# KiCad board 8851_HW-U1-VCU118_REV2-0_071417.kicad_pcb (continued)
## Footprints (pads in the part's own frame, mm; a bottom-side part is the same pattern mirrored in y, then rotated) (continued)
unnamed#130
  rect 0.001x0.001 hole 0: 1(4.475,-2.225) 2(-4.475,-2.225) 3(4.475,2.225) 4(-4.475,2.225)
unnamed#131
  round 0.001 hole 0: 1(0,0)
  round 0.001 hole 1.575: 2(2.5,-2.5) 3(2.5,2.5) 4(-2.5,-2.5) 5(-2.5,2.5)
unnamed#132
  rect 0.001x0.001 hole 0: 1(1.821,0) 2(-1.821,0)
unnamed#133
  rect 0.001x0.001 hole 0: 1(1.725,-0.688) 2(-1.725,-0.688) 3(1.725,0.688) 4(-1.725,0.688)
unnamed#134
  rect 0.001x0.001 hole 0: 1(-2.879,-2.875) 2(-2.239,-2.875) 3(-1.599,-2.875) 4(-0.96,-2.875) 5(-0.32,-2.875) 6(0.32,-2.875) 7(0.96,-2.875) 8(1.599,-2.875) 9(2.239,-2.875) 10(2.879,-2.875) 11(2.879,2.875) 12(2.239,2.875) 13(1.599,2.875) 14(0.96,2.875) 15(0.32,2.875) 16(-0.32,2.875) 17(-0.96,2.875) 18(-1.599,2.875) 19(-2.239,2.875) 20(-2.879,2.875)
unnamed#135
  rect 0.001x0.001 hole 0: 1(0,3.125) 2(0,-3.125)
unnamed#136
  round 0.001 hole 0: 1(1.968,2.854) 2(1.476,2.854) 3(0.984,2.854) 4(0.492,2.854) 5(0,2.854) 6(-0.492,2.854) 7(-0.984,2.854) 8(-1.476,2.854) 9(-1.968,2.854) 10(-2.854,1.968) 11(-2.854,1.476) 12(-2.854,0.984) 13(-2.854,0.492) 14(-2.854,0) 15(-2.854,-0.492) 16(-2.854,-0.984) 17(-2.854,-1.476) 18(-2.854,-1.968) 19(-1.968,-2.854) 20(-1.476,-2.854) 21(-0.984,-2.854) 22(-0.492,-2.854) 23(0,-2.854) 24(0.492,-2.854) 25(0.984,-2.854) 26(1.476,-2.854) 27(1.968,-2.854) 28(2.854,-1.968) 29(2.854,-1.476) 30(2.854,-0.984) 31(2.854,-0.492) 32(2.854,0) 33(2.854,0.492) 34(2.854,0.984) 35(2.854,1.476) 36(2.854,1.968)
  rect 0.001x0.001 hole 0: 37(0,0)
unnamed#137
  rect 0.001x0.001 hole 0: 1(2.425,-1.875) 2(2.425,-0.625) 3(2.425,0.625) 4(2.425,1.875) 5(-2.425,1.875) 6(-2.425,0.625) 7(-2.425,-0.625) 8(-2.425,-1.875)
unnamed#138
  rect 0.001x0.001 hole 1: 1(0,0)
  round 0.001 hole 1: 2(2.5,0) 3(5,0) 4(7.5,0) 5(10,0) 6(12.5,0)
unnamed#139
  rect 0.001x0.001 hole 0: 1(1.452,-0.984) 2(1.452,-0.492) 3(1.452,0) 4(1.452,0.492) 5(1.452,0.984) 6(-1.452,0.984) 7(-1.452,0.492) 8(-1.452,0) 9(-1.452,-0.492) 10(-1.452,-0.984)
  round 0.001 hole 0: 11(0,0)
unnamed#140
  rect 0.001x0.001 hole 0: 1(0.738,0) 2(-0.738,0)
unnamed#141
  rect 0.001x0.001 hole 0: 1(1.083,-0.935) 2(1.083,0.935) 3(-1.083,0)
unnamed#142
  rect 0.001x0.001 hole 0: 1(0.984,1.452) 2(0.492,1.452) 3(0,1.452) 4(-0.492,1.452) 5(-0.984,1.452) 6(-0.984,-1.452) 7(-0.492,-1.452) 8(0,-1.452) 9(0.492,-1.452) 10(0.984,-1.452)
  round 0.001 hole 0: 11(0,0)
unnamed#143
  rect 0.001x0.001 hole 0: 1(-1.15,0) 2(1.15,0)
unnamed#192
  rect 0.001x0.001 hole 0: 1(-1.083,0) 2(1.083,0)
unnamed#144
  round 0.001 hole 0: 1(0,0)
  round 0.001 hole 1.575: 2(-2.5,2.5) 3(-2.5,-2.5) 4(2.5,2.5) 5(2.5,-2.5)
unnamed#145
  rect 0.001x0.001 hole 0: 1(-3.125,0) 2(3.125,0)
unnamed#146
  rect 0.001x0.001 hole 0: 1(0,1.15) 2(0,-1.15)
unnamed#147
  rect 0.001x0.001 hole 0: 1(-2.425,1.875) 2(-2.425,0.625) 3(-2.425,-0.625) 4(-2.425,-1.875) 5(2.425,-1.875) 6(2.425,-0.625) 7(2.425,0.625) 8(2.425,1.875)
unnamed#148
  rect 0.001x0.001 hole 0: 1(3.125,0) 2(-3.125,0)
unnamed#149
  rect 0.001x0.001 hole 0: 1(-2.628,1.875) 2(-2.628,0.625) 3(-2.628,-0.625) 4(-2.628,-1.875) 5(2.628,-1.875) 6(2.628,-0.625) 7(2.628,0.625) 8(2.628,1.875)
unnamed#150
  rect 0.001x0.001 hole 0: 1(0.64,-0.492) 2(-0.64,0) 3(0.64,0.492)
unnamed#151
  rect 0.001x0.001 hole 0: 1(1.722,2.377) 2(1.23,2.377) 3(0.738,2.377) 4(0.246,2.377) 5(-0.246,2.377) 6(-0.738,2.377) 7(-1.23,2.377) 8(-1.722,2.377) 9(-2.377,1.722) 10(-2.377,1.23) 11(-2.377,0.738) 12(-2.377,0.246) 13(-2.377,-0.246) 14(-2.377,-0.738) 15(-2.377,-1.23) 16(-2.377,-1.722) 17(-1.722,-2.377) 18(-1.23,-2.377) 19(-0.738,-2.377) 20(-0.246,-2.377) 21(0.246,-2.377) 22(0.738,-2.377) 23(1.23,-2.377) 24(1.722,-2.377) 25(2.377,-1.722) 26(2.377,-1.23) 27(2.377,-0.738) 28(2.377,-0.246) 29(2.377,0.246) 30(2.377,0.738) 31(2.377,1.23) 32(2.377,1.722) 33(0,0)
unnamed#152
  rect 0.001x0.001 hole 1.2: 1(-1.23,-2.461)
  round 0.001 hole 1.2: 3(3.691,-2.461) 5(3.691,2.461) 6(1.23,0) 7(-3.691,0) 8(-1.23,2.461)
unnamed#153
  rect 0.001x0.001 hole 0: 1(-0.984,-1.452) 2(-0.492,-1.452) 3(0,-1.452) 4(0.492,-1.452) 5(0.984,-1.452) 6(0.984,1.452) 7(0.492,1.452) 8(0,1.452) 9(-0.492,1.452) 10(-0.984,1.452) 11(0,0)
unnamed#154
  rect 0.001x0.001 hole 0: 1(-4.612,4.375) 2(-4.612,3.125) 3(-4.612,1.875) 4(-4.612,0.625) 5(-4.612,-0.625) 6(-4.612,-1.875) 7(-4.612,-3.125) 8(-4.612,-4.375) 9(4.612,-4.375) 10(4.612,-3.125) 11(4.612,-1.875) 12(4.612,-0.625) 13(4.612,0.625) 14(4.612,1.875) 15(4.612,3.125) 16(4.612,4.375)
unnamed#155
  rect 0.001x0.001 hole 0: 1(4.529,0.738) 2(4.529,-0.738)
unnamed#156
  round 0.001 hole 0: A1(24.375,-5.625) A2(23.125,-5.625) A3(21.875,-5.625) A4(20.625,-5.625) A5(19.375,-5.625) A6(18.125,-5.625) A7(16.875,-5.625) A8(15.625,-5.625) A9(14.375,-5.625) A10(13.125,-5.625) A11(11.875,-5.625) A12(10.625,-5.625) A13(9.375,-5.625) A14(8.125,-5.625) A15(6.875,-5.625) A16(5.625,-5.625) A17(4.375,-5.625) A18(3.125,-5.625) A19(1.875,-5.625) A20(0.625,-5.625) A21(-0.625,-5.625) A22(-1.875,-5.625) A23(-3.125,-5.625) A24(-4.375,-5.625) A25(-5.625,-5.625) A26(-6.875,-5.625) A27(-8.125,-5.625) A28(-9.375,-5.625) A29(-10.625,-5.625) A30(-11.875,-5.625) A31(-13.125,-5.625) A32(-14.375,-5.625) A33(-15.625,-5.625) A34(-16.875,-5.625) A35(-18.125,-5.625) A36(-19.375,-5.625) A37(-20.625,-5.625) A38(-21.875,-5.625) A39(-23.125,-5.625) A40(-24.375,-5.625) B1(24.375,-4.375) B2(23.125,-4.375) B3(21.875,-4.375) B4(20.625,-4.375) B5(19.375,-4.375) B6(18.125,-4.375) B7(16.875,-4.375) B8(15.625,-4.375) B9(14.375,-4.375) B10(13.125,-4.375) B11(11.875,-4.375) B12(10.625,-4.375) B13(9.375,-4.375) B14(8.125,-4.375) B15(6.875,-4.375) B16(5.625,-4.375) B17(4.375,-4.375) B18(3.125,-4.375) B19(1.875,-4.375) B20(0.625,-4.375) B21(-0.625,-4.375) B22(-1.875,-4.375) B23(-3.125,-4.375) B24(-4.375,-4.375) B25(-5.625,-4.375) B26(-6.875,-4.375) B27(-8.125,-4.375) B28(-9.375,-4.375) B29(-10.625,-4.375) B30(-11.875,-4.375) B31(-13.125,-4.375) B32(-14.375,-4.375) B33(-15.625,-4.375) B34(-16.875,-4.375) B35(-18.125,-4.375) B36(-19.375,-4.375) B37(-20.625,-4.375) B38(-21.875,-4.375) B39(-23.125,-4.375) B40(-24.375,-4.375) C1(24.375,-3.125) C2(23.125,-3.125) C3(21.875,-3.125) C4(20.625,-3.125) C5(19.375,-3.125) C6(18.125,-3.125) C7(16.875,-3.125) C8(15.625,-3.125) C9(14.375,-3.125) C10(13.125,-3.125) C11(11.875,-3.125) C12(10.625,-3.125) C13(9.375,-3.125) C14(8.125,-3.125) C15(6.875,-3.125) C16(5.625,-3.125) C17(4.375,-3.125) C18(3.125,-3.125) C19(1.875,-3.125) C20(0.625,-3.125) C21(-0.625,-3.125) C22(-1.875,-3.125) C23(-3.125,-3.125) C24(-4.375,-3.125) C25(-5.625,-3.125) C26(-6.875,-3.125) C27(-8.125,-3.125) C28(-9.375,-3.125) C29(-10.625,-3.125) C30(-11.875,-3.125) C31(-13.125,-3.125) C32(-14.375,-3.125) C33(-15.625,-3.125) C34(-16.875,-3.125) C35(-18.125,-3.125) C36(-19.375,-3.125) C37(-20.625,-3.125) C38(-21.875,-3.125) C39(-23.125,-3.125) C40(-24.375,-3.125) D1(24.375,-1.875) D2(23.125,-1.875) D3(21.875,-1.875) D4(20.625,-1.875) D5(19.375,-1.875) D6(18.125,-1.875) D7(16.875,-1.875) D8(15.625,-1.875) D9(14.375,-1.875) D10(13.125,-1.875) D11(11.875,-1.875) D12(10.625,-1.875) D13(9.375,-1.875) D14(8.125,-1.875) D15(6.875,-1.875) D16(5.625,-1.875) D17(4.375,-1.875) D18(3.125,-1.875) D19(1.875,-1.875) D20(0.625,-1.875) D21(-0.625,-1.875) D22(-1.875,-1.875) D23(-3.125,-1.875) D24(-4.375,-1.875) D25(-5.625,-1.875) D26(-6.875,-1.875) D27(-8.125,-1.875) D28(-9.375,-1.875) D29(-10.625,-1.875) D30(-11.875,-1.875) D31(-13.125,-1.875) D32(-14.375,-1.875) D33(-15.625,-1.875) D34(-16.875,-1.875) D35(-18.125,-1.875) D36(-19.375,-1.875) D37(-20.625,-1.875) D38(-21.875,-1.875) D39(-23.125,-1.875) D40(-24.375,-1.875) E1(24.375,-0.625) E2(23.125,-0.625) E3(21.875,-0.625) E4(20.625,-0.625) E5(19.375,-0.625) E6(18.125,-0.625) E7(16.875,-0.625) E8(15.625,-0.625) E9(14.375,-0.625) E10(13.125,-0.625) E11(11.875,-0.625) E12(10.625,-0.625) E13(9.375,-0.625) E14(8.125,-0.625) E15(6.875,-0.625) E16(5.625,-0.625) E17(4.375,-0.625) E18(3.125,-0.625) E19(1.875,-0.625) E20(0.625,-0.625) E21(-0.625,-0.625) E22(-1.875,-0.625) E23(-3.125,-0.625) E24(-4.375,-0.625) E25(-5.625,-0.625) E26(-6.875,-0.625) E27(-8.125,-0.625) E28(-9.375,-0.625) E29(-10.625,-0.625) E30(-11.875,-0.625) E31(-13.125,-0.625) E32(-14.375,-0.625) E33(-15.625,-0.625) E34(-16.875,-0.625) E35(-18.125,-0.625) E36(-19.375,-0.625) E37(-20.625,-0.625) E38(-21.875,-0.625) E39(-23.125,-0.625) E40(-24.375,-0.625) F1(24.375,0.625) F2(23.125,0.625) F3(21.875,0.625) F4(20.625,0.625) F5(19.375,0.625) F6(18.125,0.625) F7(16.875,0.625) F8(15.625,0.625) F9(14.375,0.625) F10(13.125,0.625) F11(11.875,0.625) F12(10.625,0.625) F13(9.375,0.625) F14(8.125,0.625) F15(6.875,0.625) F16(5.625,0.625) F17(4.375,0.625) F18(3.125,0.625) F19(1.875,0.625) F20(0.625,0.625) F21(-0.625,0.625) F22(-1.875,0.625) F23(-3.125,0.625) F24(-4.375,0.625) F25(-5.625,0.625) F26(-6.875,0.625) F27(-8.125,0.625) F28(-9.375,0.625) F29(-10.625,0.625) F30(-11.875,0.625) F31(-13.125,0.625) F32(-14.375,0.625) F33(-15.625,0.625) F34(-16.875,0.625) F35(-18.125,0.625) F36(-19.375,0.625) F37(-20.625,0.625) F38(-21.875,0.625) F39(-23.125,0.625) F40(-24.375,0.625) G1(24.375,1.875) G2(23.125,1.875) G3(21.875,1.875) G4(20.625,1.875) G5(19.375,1.875) G6(18.125,1.875) G7(16.875,1.875) G8(15.625,1.875) G9(14.375,1.875) G10(13.125,1.875) G11(11.875,1.875) G12(10.625,1.875) G13(9.375,1.875) G14(8.125,1.875) G15(6.875,1.875) G16(5.625,1.875) G17(4.375,1.875) G18(3.125,1.875) G19(1.875,1.875) G20(0.625,1.875) G21(-0.625,1.875) G22(-1.875,1.875) G23(-3.125,1.875) G24(-4.375,1.875) G25(-5.625,1.875) G26(-6.875,1.875) G27(-8.125,1.875) G28(-9.375,1.875) G29(-10.625,1.875) G30(-11.875,1.875) G31(-13.125,1.875) G32(-14.375,1.875) G33(-15.625,1.875) G34(-16.875,1.875) G35(-18.125,1.875) G36(-19.375,1.875) G37(-20.625,1.875) G38(-21.875,1.875) G39(-23.125,1.875) G40(-24.375,1.875) H1(24.375,3.125) H2(23.125,3.125) H3(21.875,3.125) H4(20.625,3.125) H5(19.375,3.125) H6(18.125,3.125) H7(16.875,3.125) H8(15.625,3.125) H9(14.375,3.125) H10(13.125,3.125) H11(11.875,3.125) H12(10.625,3.125) H13(9.375,3.125) H14(8.125,3.125) H15(6.875,3.125) H16(5.625,3.125) H17(4.375,3.125) H18(3.125,3.125) H19(1.875,3.125) H20(0.625,3.125) H21(-0.625,3.125) H22(-1.875,3.125) H23(-3.125,3.125) H24(-4.375,3.125) H25(-5.625,3.125) H26(-6.875,3.125) H27(-8.125,3.125) H28(-9.375,3.125) H29(-10.625,3.125) H30(-11.875,3.125) H31(-13.125,3.125) H32(-14.375,3.125) H33(-15.625,3.125) H34(-16.875,3.125) H35(-18.125,3.125) H36(-19.375,3.125) H37(-20.625,3.125) H38(-21.875,3.125) H39(-23.125,3.125) H40(-24.375,3.125) J1(24.375,4.375) J2(23.125,4.375) J3(21.875,4.375) J4(20.625,4.375) J5(19.375,4.375) J6(18.125,4.375) J7(16.875,4.375) J8(15.625,4.375) J9(14.375,4.375) J10(13.125,4.375) J11(11.875,4.375) J12(10.625,4.375) J13(9.375,4.375) J14(8.125,4.375) J15(6.875,4.375) J16(5.625,4.375) J17(4.375,4.375) J18(3.125,4.375) J19(1.875,4.375) J20(0.625,4.375) J21(-0.625,4.375) J22(-1.875,4.375) J23(-3.125,4.375) J24(-4.375,4.375) J25(-5.625,4.375) J26(-6.875,4.375) J27(-8.125,4.375) J28(-9.375,4.375) J29(-10.625,4.375) J30(-11.875,4.375) J31(-13.125,4.375) J32(-14.375,4.375) J33(-15.625,4.375) J34(-16.875,4.375) J35(-18.125,4.375) J36(-19.375,4.375) J37(-20.625,4.375) J38(-21.875,4.375) J39(-23.125,4.375) J40(-24.375,4.375) K1(24.375,5.625) K2(23.125,5.625) K3(21.875,5.625) K4(20.625,5.625) K5(19.375,5.625) K6(18.125,5.625) K7(16.875,5.625) K8(15.625,5.625) K9(14.375,5.625) K10(13.125,5.625) K11(11.875,5.625) K12(10.625,5.625) K13(9.375,5.625) K14(8.125,5.625) K15(6.875,5.625) K16(5.625,5.625) K17(4.375,5.625) K18(3.125,5.625) K19(1.875,5.625) K20(0.625,5.625) K21(-0.625,5.625) K22(-1.875,5.625) K23(-3.125,5.625) K24(-4.375,5.625) K25(-5.625,5.625) K26(-6.875,5.625) K27(-8.125,5.625) K28(-9.375,5.625) K29(-10.625,5.625) K30(-11.875,5.625) K31(-13.125,5.625) K32(-14.375,5.625) K33(-15.625,5.625) K34(-16.875,5.625) K35(-18.125,5.625) K36(-19.375,5.625) K37(-20.625,5.625) K38(-21.875,5.625) K39(-23.125,5.625) K40(-24.375,5.625)
  round 0.001 hole 2.65: ST1(-31,1.975) ST2(31,1.975)
unnamed#157
  rect 0.001x0.001 hole 0: A1(0,0.487) A2(0.984,0) A3(1.968,0) A4(2.953,0) A5(3.937,0) A6(4.921,0) A7(5.905,0) A8(6.89,0) A9(7.874,0) A10(8.858,0) A11(9.843,0) A12(12.795,0) A13(13.78,0) A14(14.764,0) A15(15.748,0) A16(16.732,0) A17(17.717,0) A18(18.701,0) A19(19.685,0) A20(20.669,0) A21(21.654,0) A22(22.638,0) A23(23.622,0) A24(24.606,0) A25(25.591,0) A26(26.575,0) A27(27.559,0) A28(28.543,0) A29(29.528,0) A30(30.512,0) A31(31.496,0) A32(32.48,0) A33(33.465,0) A34(34.449,0) A35(35.433,0) A36(36.417,0) A37(37.402,0) A38(38.386,0) A39(39.37,0) A40(40.354,0) A41(41.339,0) A42(42.323,0) A43(43.307,0) A44(44.291,0) A45(45.276,0) A46(46.26,0) A47(47.244,0) A48(48.228,0) A49(49.213,0) A50(50.197,0) A51(51.181,0) A52(52.165,0) A53(53.15,0) A54(54.134,0) A55(55.118,0) A56(56.102,0) A57(57.087,0) A58(58.071,0) A59(59.055,0) A60(60.039,0) A61(61.024,0) A62(62.008,0) A63(62.992,0) A64(63.976,0) A65(64.961,0) A66(65.945,0) A67(66.929,0) A68(67.913,0) A69(68.898,0) A70(69.882,0) A71(70.866,0) A72(71.85,0) A73(72.835,0) A74(73.819,0) A75(74.803,0) A76(75.787,0) A77(76.772,0) A78(77.756,0) A79(78.74,0) A80(79.724,0) A81(80.709,0) A82(81.693,0) B1(0,0) B2(0.984,0) B3(1.968,0) B4(2.953,0) B5(3.937,0) B6(4.921,0) B7(5.905,0) B8(6.89,0) B9(7.874,0) B10(8.858,0) B11(9.843,0) B12(12.795,0) B13(13.78,0) B14(14.764,0) B15(15.748,0) B16(16.732,0) B17(17.717,0.487) B18(18.701,0) B19(19.685,0) B20(20.669,0) B21(21.654,0) B22(22.638,0) B23(23.622,0) B24(24.606,0) B25(25.591,0) B26(26.575,0) B27(27.559,0) B28(28.543,0) B29(29.528,0) B30(30.512,0) B31(31.496,0.487) B32(32.48,0) B33(33.465,0) B34(34.449,0) B35(35.433,0) B36(36.417,0) B37(37.402,0) B38(38.386,0) B39(39.37,0) B40(40.354,0) B41(41.339,0) B42(42.323,0) B43(43.307,0) B44(44.291,0) B45(45.276,0) B46(46.26,0) B47(47.244,0) B48(48.228,0) B49(49.213,0) B50(50.197,0) B51(51.181,0) B52(52.165,0) B53(53.15,0) B54(54.134,0) B55(55.118,0) B56(56.102,0) B57(57.087,0) B58(58.071,0) B59(59.055,0) B60(60.039,0) B61(61.024,0) B62(62.008,0) B63(62.992,0) B64(63.976,0) B65(64.961,0) B66(65.945,0) B67(66.929,0) B68(67.913,0) B69(68.898,0) B70(69.882,0) B71(70.866,0) B72(71.85,0) B73(72.835,0) B74(73.819,0) B75(74.803,0) B76(75.787,0) B77(76.772,0) B78(77.756,0) B79(78.74,0) B80(79.724,0) B81(80.709,0) B82(81.693,0)
unnamed#158
  rect 0.001x0.001 hole 0: 1(-1.112,15.856) 2(-1.9,15.856) 3(-2.687,15.856) 4(-3.474,15.856) 5(-4.262,15.856) 6(-5.049,15.856) 7(-5.837,15.856) 8(-6.624,15.856) 9(-7.411,15.856) 10(-8.199,15.856) A1(-0.226,-3.789) A2(-0.719,-3.888) A3(-1.211,-3.888) A4(-1.703,-3.789) A5(-2.195,-3.888) A6(-2.687,-3.888) A7(-3.179,-3.789) A8(-3.671,-3.888) A9(-4.163,-3.888) A10(-4.655,-3.789) A11(-5.148,-3.888) A12(-5.64,-3.888) A13(-6.132,-3.789) A14(-6.624,-3.888) A15(-7.116,-3.888) A16(-7.608,-3.789) A17(-8.1,-3.888) A18(-8.593,-3.888) A19(-9.085,-3.789) B1(-0.226,-2.313) B2(-0.719,-2.313) B3(-1.211,-2.313) B4(-1.703,-2.313) B5(-2.195,-2.313) B6(-2.687,-2.313) B7(-3.179,-2.313) B8(-3.671,-2.313) B9(-4.163,-2.313) B10(-4.655,-2.313) B11(-5.148,-2.313) B12(-5.64,-2.313) B13(-6.132,-2.313) B14(-6.624,-2.313) B15(-7.116,-2.313) B16(-7.608,-2.313) B17(-8.1,-2.313) B18(-8.593,-2.313) B19(-9.085,-2.313)
unnamed#159
  rect 0.001x0.001 hole 0: 1(4.375,4.612) 2(3.125,4.612) 3(1.875,4.612) 4(0.625,4.612) 5(-0.625,4.612) 6(-1.875,4.612) 7(-3.125,4.612) 8(-4.375,4.612) 9(-4.375,-4.612) 10(-3.125,-4.612) 11(-1.875,-4.612) 12(-0.625,-4.612) 13(0.625,-4.612) 14(1.875,-4.612) 15(3.125,-4.612) 16(4.375,-4.612)
unnamed#160
  round 0.001 hole 0: 1(2.854,-1.968) 2(2.854,-1.476) 3(2.854,-0.984) 4(2.854,-0.492) 5(2.854,0) 6(2.854,0.492) 7(2.854,0.984) 8(2.854,1.476) 9(2.854,1.968) 10(1.968,2.854) 11(1.476,2.854) 12(0.984,2.854) 13(0.492,2.854) 14(0,2.854) 15(-0.492,2.854) 16(-0.984,2.854) 17(-1.476,2.854) 18(-1.968,2.854) 19(-2.854,1.968) 20(-2.854,1.476) 21(-2.854,0.984) 22(-2.854,0.492) 23(-2.854,0) 24(-2.854,-0.492) 25(-2.854,-0.984) 26(-2.854,-1.476) 27(-2.854,-1.968) 28(-1.968,-2.854) 29(-1.476,-2.854) 30(-0.984,-2.854) 31(-0.492,-2.854) 32(0,-2.854) 33(0.492,-2.854) 34(0.984,-2.854) 35(1.476,-2.854) 36(1.968,-2.854)
  rect 0.001x0.001 hole 0: 37(0,0)
unnamed#161
  rect 0.001x0.001 hole 1: 1(0,0)
  round 0.001 hole 1: 2(2.5,0)
unnamed#162
  rect 0.001x0.001 hole 0: 1(1.083,0.787) 2(-1.083,0.787) 3(-1.083,-0.787) 4(1.083,-0.787)
unnamed#197
  rect 0.001x0.001 hole 0: 1(1.075,0.838) 2(-1.075,0.838) 3(-1.075,-0.838) 4(1.075,-0.838)
unnamed#163
  rect 0.001x0.001 hole 0: 1(-2.643,2.188) 2(-2.643,1.562) 3(-2.643,0.938) 4(-2.643,0.312) 5(-2.643,-0.312) 6(-2.643,-0.938) 7(-2.643,-1.562) 8(-2.643,-2.188) 9(2.643,-2.188) 10(2.643,-1.562) 11(2.643,-0.938) 12(2.643,-0.312) 13(2.643,0.312) 14(2.643,0.938) 15(2.643,1.562) 16(2.643,2.188)
unnamed#164
  rect 0.001x0.001 hole 0: 1(-1.23,-1.919) 2(-0.738,-1.919) 3(-0.246,-1.919) 4(0.246,-1.919) 5(0.738,-1.919) 6(1.23,-1.919) 7(1.919,-1.23) 8(1.919,-0.738) 9(1.919,-0.246) 10(1.919,0.246) 11(1.919,0.738) 12(1.919,1.23) 13(1.23,1.919) 14(0.738,1.919) 15(0.246,1.919) 16(-0.246,1.919) 17(-0.738,1.919) 18(-1.23,1.919) 19(-1.919,1.23) 20(-1.919,0.738) 21(-1.919,0.246) 22(-1.919,-0.246) 23(-1.919,-0.738) 24(-1.919,-1.23) 25(0,0)
unnamed#165
  rect 0.001x0.001 hole 0: 1(0.738,1.476) 2(0.246,1.476) 3(-0.246,1.476) 4(-0.738,1.476) 5(-1.476,0.738) 6(-1.476,0.246) 7(-1.476,-0.246) 8(-1.476,-0.738) 9(-0.738,-1.476) 10(-0.246,-1.476) 11(0.246,-1.476) 12(0.738,-1.476) 13(1.476,-0.738) 14(1.476,-0.246) 15(1.476,0.246) 16(1.476,0.738) 17(0,0)
unnamed#166
  rect 0.001x0.001 hole 0: 1(0.925,-1.137) 2(0.925,1.137) 3(-0.925,1.137) 4(-0.925,-1.137)
unnamed#167
  rect 0.001x0.001 hole 0: 1(1.476,-0.738) 2(1.476,-0.246) 3(1.476,0.246) 4(1.476,0.738) 5(0.738,1.476) 6(0.246,1.476) 7(-0.246,1.476) 8(-0.738,1.476) 9(-1.476,0.738) 10(-1.476,0.246) 11(-1.476,-0.246) 12(-1.476,-0.738) 13(-0.738,-1.476) 14(-0.246,-1.476) 15(0.246,-1.476) 16(0.738,-1.476) 17(0,0)
unnamed#168
  rect 0.001x0.001 hole 1: 1(0,0)
  round 0.001 hole 1: 2(-2.5,0) 3(-5,0)
unnamed#169
  rect 0.001x0.001 hole 0: 1(7.382,9.596) 2(2.461,9.596) 3(-2.461,9.596) 4(-7.382,9.596) 5(-10.089,4.921) 6(-10.089,0) 7(-10.089,-4.921) 8(-7.382,-9.596) 9(-2.461,-9.596) 10(2.461,-9.596) 11(7.382,-9.596) 12(10.335,-2.461) 13(10.335,2.461)
unnamed#170
  rect 0.001x0.001 hole 1: 1(0,0)
  round 0.001 hole 1: 2(-2.5,0) 3(0,2.5) 4(-2.5,2.5) 5(0,5) 6(-2.5,5) 7(0,7.5) 8(-2.5,7.5) 9(0,10) 10(-2.5,10) 11(0,12.5) 12(-2.5,12.5)
unnamed#171
  round 0.001 hole 0.8: 1(7.375,-1.25) 2(-7.375,1.25)
unnamed#172
  rect 0.001x0.001 hole 0: 1(3.518,0) 2(-3.518,0)
unnamed#173
  rect 0.001x0.001 hole 0: 1(-0.64,0.492) 2(0.64,0) 3(-0.64,-0.492)
unnamed#174
  rect 0.001x0.001 hole 0: 1(-2.83,0.96) 2(-2.83,0.32) 3(-2.83,-0.32) 4(-2.83,-0.96) 5(2.83,-0.96) 6(2.83,-0.32) 7(2.83,0.32) 8(2.83,0.96)
unnamed#175
  rect 0.001x0.001 hole 0: 1(-1.722,-2.377) 2(-1.23,-2.377) 3(-0.738,-2.377) 4(-0.246,-2.377) 5(0.246,-2.377) 6(0.738,-2.377) 7(1.23,-2.377) 8(1.722,-2.377) 9(2.377,-1.722) 10(2.377,-1.23) 11(2.377,-0.738) 12(2.377,-0.246) 13(2.377,0.246) 14(2.377,0.738) 15(2.377,1.23) 16(2.377,1.722) 17(1.722,2.377) 18(1.23,2.377) 19(0.738,2.377) 20(0.246,2.377) 21(-0.246,2.377) 22(-0.738,2.377) 23(-1.23,2.377) 24(-1.722,2.377) 25(-2.377,1.722) 26(-2.377,1.23) 27(-2.377,0.738) 28(-2.377,0.246) 29(-2.377,-0.246) 30(-2.377,-0.738) 31(-2.377,-1.23) 32(-2.377,-1.722) 33(0,0)
unnamed#176
  rect 0.001x0.001 hole 0: 1(2.138,-0.985) 2(2.138,-0.493) 3(2.138,0) 4(2.138,0.493) 5(2.138,0.985) 6(-2.138,0.985) 7(-2.138,0.493) 8(-2.138,0) 9(-2.138,-0.493) 10(-2.138,-0.985)
unnamed#177
  rect 0.001x0.001 hole 0: 1(-3.75,1.875) 2(-3.75,0.625) 3(-3.75,-0.625) 4(-3.75,-1.875) 5(3.75,-1.875) 6(3.75,-0.625) 7(3.75,0.625) 8(3.75,1.875)
unnamed#178
  rect 0.001x0.001 hole 0: 1(0,-3.95) 2(0,3.95)
